# Altium PCB TD4_CPU.PcbDoc (part 2 of 3)
Units mm, origin at the board's own origin, x right, y up, seen from the top; angles counter-clockwise.
Board outline 102.11 x 192.02 mm, 2 copper layers (Top Layer, Bottom Layer); 361 components, 295 nets, 1160 pads, 333 vias.
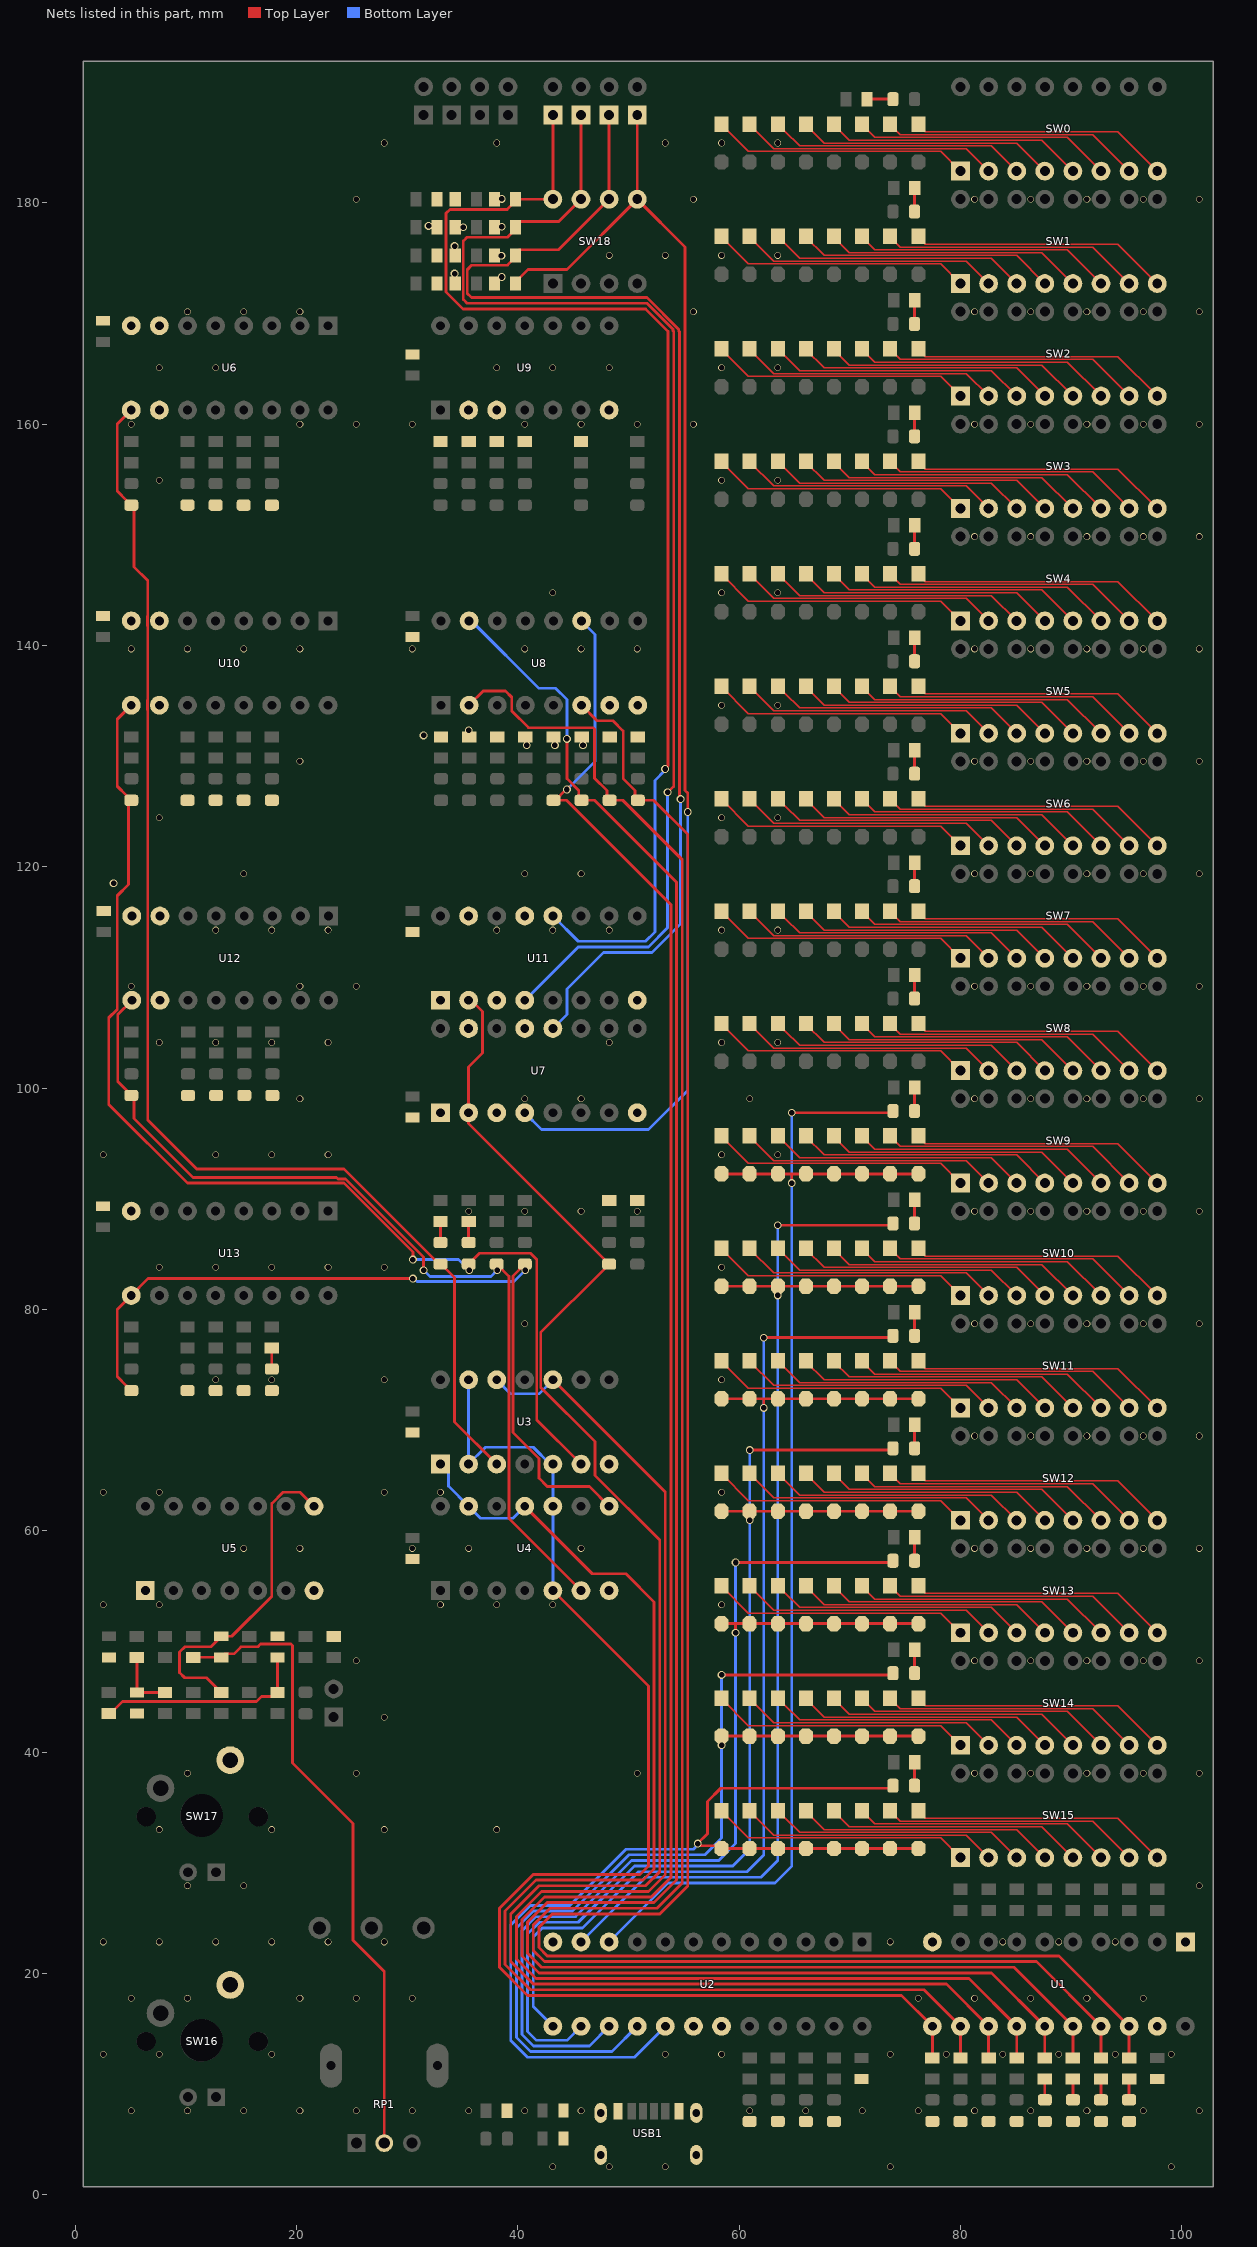
[diagram p2: the nets of this part, all layers, seen from the top]

## Via types
v1: diameter 0.6, hole 0.5, Top Layer to Bottom Layer, tented both sides, 253 vias
v2: diameter 0.7, hole 0.5, Top Layer to Bottom Layer, tented both sides, 77 vias
v3: diameter 1, hole 0.7, Top Layer to Bottom Layer, tented both sides, 3 vias

## Nets (pads, with @x,y where several pads share a name; then routed paths per layer and width w, separated by ;. In a path a pad name is that pad's centre, name@x,y a point inside that pad or via, vN(x,y) a via of type N, cw(c..) or ccw(c..) an arc to the next point about the centre after c; other vN are vias at no path point) (continued)
COM9: D73.2 D74.2 D75.2 D76.2 D77.2 D78.2 D79.2 D80.2 LED9.2 U2.10 | length 115.2
  Top Layer w0.254: D73.2@58.42,92.266 D74.2@60.96,92.266 D75.2@63.5,92.266 64.77,92.266 ; v2(64.77,91.44) 64.77,92.266 ; v2(64.77,97.79) LED9.2@73.91,97.79 ; D80.2@76.2,92.266 D79.2@73.66,92.266 D78.2@71.12,92.266 D77.2@68.58,92.266 D76.2@66.04,92.266 64.77,92.266
  Bottom Layer w0.254: U2.10@48.26,22.86 53.595,28.195 63.247,28.195 64.77,29.718 v2(64.77,91.44) v2(64.77,97.79)
COM10: D81.2 D82.2 D83.2 D84.2 D85.2 D86.2 D87.2 D88.2 LED10.2 U2.11 | length 106.4
  Top Layer w0.254: D81.2@58.42,82.105 D82.2@60.96,82.105 D83.2@63.5,82.105 D84.2@66.04,82.105 D85.2@68.58,82.105 D86.2@71.12,82.105 D87.2@73.66,82.105 D88.2@76.2,82.105 ; v2(63.5,87.63) LED10.2@73.91,87.63
  Bottom Layer w0.254: U2.11@45.72,22.86 51.562,28.702 61.976,28.702 63.5,30.226 v2(63.5,81.28) v2(63.5,87.63)
COM11: D89.2 D90.2 D91.2 D92.2 D93.2 D94.2 D95.2 D96.2 LED11.2 U2.13 | length 109.7
  Top Layer w0.254: D89.2@58.42,71.945 D90.2@60.96,71.945 62.23,71.945 ; v2(62.23,71.12) 62.23,71.945 ; v2(62.23,77.47) LED11.2@73.91,77.47 ; D96.2@76.2,71.945 D95.2@73.66,71.945 D94.2@71.12,71.945 D93.2@68.58,71.945 D92.2@66.04,71.945 D91.2@63.5,71.945 62.23,71.945
  Bottom Layer w0.254: U2.13@43.18,15.24 41.402,17.018 41.402,23.317 42.215,24.13 45.845,24.13 50.925,29.21 60.706,29.21 62.23,30.734 v2(62.23,71.12) v2(62.23,77.47)
COM12: D97.2 D98.2 D99.2 D100.2 D101.2 D102.2 D103.2 D104.2 LED12.2 U2.14 | length 104.5
  Top Layer w0.254: D97.2@58.42,61.785 D98.2@60.96,61.785 D99.2@63.5,61.785 D100.2@66.04,61.785 D101.2@68.58,61.785 D102.2@71.12,61.785 D103.2@73.66,61.785 D104.2@76.2,61.785 ; v2(60.96,67.31) LED12.2@73.91,67.31
  Bottom Layer w0.254: U2.14@45.72,15.24 44.45,13.97 41.681,13.97 40.894,14.757 40.894,23.571 41.961,24.638 45.466,24.638 50.546,29.718 59.436,29.718 60.96,31.242 v2(60.96,60.96) v2(60.96,67.31)
COM13: D105.2 D106.2 D107.2 D108.2 D109.2 D110.2 D111.2 D112.2 LED13.2 U2.15 | length 99.2
  Top Layer w0.254: D105.2@58.42,51.625 59.69,51.625 ; v2(59.69,50.8) 59.69,51.625 ; v2(59.69,57.15) LED13.2@73.91,57.15 ; D112.2@76.2,51.625 D111.2@73.66,51.625 D110.2@71.12,51.625 D109.2@68.58,51.625 D108.2@66.04,51.625 D107.2@63.5,51.625 D106.2@60.96,51.625 59.69,51.625
  Bottom Layer w0.254: U2.15@48.26,15.24 46.482,13.462 41.427,13.462 40.386,14.503 40.386,23.876 41.656,25.146 45.212,25.146 50.292,30.226 58.166,30.226 59.69,31.75 v2(59.69,50.8) v2(59.69,57.15)
COM14: D113.2 D114.2 D115.2 D116.2 D117.2 D118.2 D119.2 D120.2 LED14.2 U2.16 | length 92.2
  Top Layer w0.254: D113.2@58.42,41.465 D114.2@60.96,41.465 D115.2@63.5,41.465 D116.2@66.04,41.465 D117.2@68.58,41.465 D118.2@71.12,41.465 D119.2@73.66,41.465 D120.2@76.2,41.465 ; v2(58.42,46.99) LED14.2@73.914,46.99
  Bottom Layer w0.254: U2.16@50.8,15.24 48.514,12.954 41.148,12.954 39.878,14.224 39.878,24.13 41.402,25.654 44.958,25.654 50.038,30.734 56.896,30.734 58.42,32.258 v2(58.42,40.64) v2(58.42,46.99)
COM15: D121.2 D122.2 D123.2 D124.2 D125.2 D126.2 D127.2 D128.2 LED15.2 U2.17 | length 87.7
  Top Layer w0.254: LED15.2@73.91,36.989 73.675,36.754 58.344,36.754 57.15,35.56 57.15,32.639 v2(56.261,31.75) 56.382,31.75 56.572,31.559 58.166,31.559 D121.2@58.42,31.305 D122.2@60.96,31.305 D123.2@63.5,31.305 D124.2@66.04,31.305 D125.2@68.58,31.305 D126.2@71.12,31.305 D127.2@73.66,31.305 D128.2@76.2,31.305
  Bottom Layer w0.254: U2.17@53.34,15.24 50.546,12.446 40.894,12.446 39.37,13.97 39.37,24.384 41.148,26.162 44.704,26.162 49.784,31.242 55.88,31.242 v2@56.261,31.623
Data0: LED38.1 R25.2 U1.18 U8.6 | length 188.3
  Top Layer w0.254: U8.6@45.771,134.62 47.179,133.212 48.613,133.212 49.53,132.295 49.53,127.979 50.595,126.914 50.595,126.28 LED38.1@50.851,126.025 52.276,126.025 55.372,122.928 55.372,117.602 55.372,27.94 52.832,25.4 43.119,25.4 41.91,24.191 41.91,22.352 42.672,21.59 88.9,21.59 U1.18@95.25,15.24 R25.2@95.25,12.38
Data1: LED45.1 R26.2 U1.17 U8.2 | length 196.6
  Top Layer w0.254: U8.2@35.611,134.62 36.881,135.89 38.905,135.89 39.464,135.331 39.464,134.096 40.972,132.588 46.797,132.588 46.946,132.439 46.946,128.023 48.055,126.914 48.055,126.28 LED45.1@48.311,126.025 49.489,126.025 54.864,120.65 54.864,117.602 54.864,28.194 52.578,25.908 42.926,25.908 41.402,24.384 41.402,22.098 42.418,21.082 86.868,21.082 U1.17@92.71,15.24 R26.2@92.71,12.38
Data2: LED52.1 R28.2 U1.16 U8.15 | length 196
  Top Layer w0.254: v2(44.45,131.572) 44.45,127.979 45.515,126.914 45.515,126.28 LED52.1@45.771,126.025 46.946,126.025 54.356,118.614 54.356,28.448 52.324,26.416 42.672,26.416 40.894,24.638 40.894,21.844 42.164,20.574 84.836,20.574 U1.16@90.17,15.24 R28.2@90.17,12.38
  Bottom Layer w0.254: U8.15@35.611,142.24 35.827,142.024 36.03,142.024 41.91,136.144 43.434,136.144 44.45,135.128 v2(44.45,131.572)
Data3: LED59.1 R31.2 U1.15 U8.11 | length 192.1
  Top Layer w0.254: LED59.1@43.231,126.025 LED59.1@43.416,126.025 ; v2@44.641,127.232 v2@44.45,127.041 ; R31.2@87.63,12.38 U1.15@87.63,15.24 82.804,20.066 42.164,20.066 41.91,20.066 40.386,21.59 40.386,24.892 42.418,26.924 52.07,26.924 53.848,28.702 53.848,116.586 44.409,126.025 LED59.1@43.416,126.025 ; LED59.1@43.416,126.025 44.333,126.942 44.333,127 v2@44.409,127 ; v2@44.409,127 v2@44.45,127.041 ; v2@44.409,127 v2(44.45,127) v2@44.45,127.041
  Bottom Layer w0.254: v2(44.45,127) 46.99,129.54 46.99,141.021 U8.11@45.771,142.24
Data4: R34.2 U1.14 U3.10 U3.12 | length 124.5
  Top Layer w0.254: U3.10@43.18,73.66 53.34,63.5 53.34,28.956 51.816,27.432 42.164,27.432 39.878,25.146 39.878,21.336 41.656,19.558 42.164,19.558 80.772,19.558 U1.14@85.09,15.24 R34.2@85.09,12.38
  Bottom Layer w0.254: U3.12@38.1,73.66 39.37,72.39 41.91,72.39 U3.10@43.18,73.66
Data5: LED34.1 R37.2 U1.13 U7.2 U11.2 | length 160.1
  Top Layer w0.254: U11.2@35.56,107.95 35.814,107.95 36.83,106.934 36.83,103.193 35.56,101.923 U7.2@35.56,97.79 35.56,96.815 LED34.1@48.26,84.115 48.202,84.115 47.83,83.743 47.83,83.685 42.074,77.929 42.074,72.988 46.99,68.072 46.99,65.025 52.832,59.183 52.832,29.21 51.562,27.94 41.91,27.94 39.37,25.4 39.37,21.082 41.402,19.05 42.164,19.05 78.74,19.05 U1.13@82.55,15.24 R37.2@82.55,12.38
Data6: R39.2 U1.12 U3.1 U4.11 U4.13 | length 116.4
  Top Layer w0.254: U4.11@40.64,62.23 46.736,56.134 49.784,56.134 52.324,53.594 52.324,29.464 51.308,28.448 41.656,28.448 38.862,25.654 38.862,20.828 41.148,18.542 42.164,18.542 76.708,18.542 U1.12@80.01,15.24 R39.2@80.01,12.38
  Bottom Layer w0.254: U3.1@33.02,66.04 33.743,65.317 33.743,64.047 U4.13@35.56,62.23 36.639,61.151 39.561,61.151 U4.11@40.64,62.23
Data7: R40.2 U1.11 U3.2 U3.5 U3.13 U4.5 U4.10 | length 121
  Top Layer w0.254: U4.5@43.18,54.61 51.816,45.974 51.816,29.718 51.054,28.956 41.408,28.956 38.354,25.902 38.354,20.574 40.894,18.034 42.164,18.034 74.676,18.034 U1.11@77.47,15.24 R40.2@77.47,12.38
  Bottom Layer w0.254: U3.13@35.56,73.66 U3.2@35.56,66.04 37.084,67.564 41.402,67.564 42.926,66.04 U3.5@43.18,66.04 U4.10@43.18,62.23 U4.5@43.18,54.61
GND: C1.1 C2.1 C3.1 C4.1 C5.1 C6.1 C7.1 C8.1 C9.1 C10.1 C11.1 C12.1 C13.1 C14.1 C15.1 C16.1 C18.1 LED16.2 LED17.2 LED19.2 LED21.2 LED22.2 LED24.2 LED25.2 LED27.2 LED28.2 LED29.2 LED30.2 LED31.2 LED41.2 LED42.2 LED48.2 LED49.2 LED55.2 LED56.2 LED62.2 LED63.2 LED66.2 LED67.2 LED68.2 LED69.2 LED70.2 LED71.2 LED72.2 LED73.2 R42.1 R43.1 R44.1 R46.1 R47.1 R48.1 R49.1 R52.1 R53.1 R54.1 R55.1 R56.1 R59.1 R60.1 R61.1 R62.1 R63.1 R66.1 R67.1 R68.1 R69.1 R70.1 R73.1 R74.1 R85.2 R86.2 R87.2 R88.2 R97.1 SW16.2 SW17.2 U1.1 U1.10 U1.19 U2.12 U2.18 U2.19 U3.7 U4.7 U5.1 U5.7 U6.7 U6.8 U6.10 U7.1 U7.3 U7.8 U7.13 U7.15 U8.7 U8.8 U9.2 U9.3 U9.7 U10.7 U10.8 U10.10 U11.1 U11.3 U11.8 U11.13 U11.15 U12.7 U12.8 U12.10 U13.8 USB1.0 USB1.A12 USB1.B12
  other v1: 43.18,2.54 48.26,2.54 53.34,2.54 73.66,2.54 99.06,2.54 5.08,7.62 10.16,7.62 15.24,7.62 20.32,7.62 25.4,7.62 30.48,7.62 35.56,7.62 40.64,7.62 45.72,7.62 60.96,7.62 66.04,7.62 71.12,7.62 76.2,7.62 81.28,7.62 86.36,7.62 91.44,7.62 96.52,7.62 101.6,7.62 2.54,12.7 7.62,12.7 17.78,12.7 53.34,12.7 58.42,12.7 73.66,12.7 78.74,12.7 83.82,12.7 88.9,12.7 93.98,12.7 99.06,12.7 5.08,17.78 10.16,17.78 20.32,17.78 25.4,17.78 30.48,17.78 76.2,17.78 81.28,17.78 86.36,17.78 91.44,17.78 96.52,17.78 2.54,22.86 7.62,22.86 12.7,22.86 17.78,22.86 22.86,22.86 27.94,22.86 73.66,22.86 83.82,22.86 88.9,22.86 93.98,22.86 10.16,27.94 15.24,27.94 101.6,27.94 7.62,33.02 17.78,33.02 27.94,33.02 38.1,33.02 10.16,38.1 25.4,38.1 50.8,38.1 81.28,38.1 86.36,38.1 91.44,38.1 96.52,38.1 101.6,38.1 27.94,43.18 25.4,48.26 81.28,48.26 86.36,48.26 91.44,48.26 96.52,48.26 101.6,48.26 2.54,53.34 7.62,53.34 33.02,53.34 38.1,53.34 43.18,53.34 58.42,53.34 15.24,58.42 20.32,58.42 30.48,58.42 35.56,58.42 45.72,58.42 81.28,58.42 86.36,58.42 91.44,58.42 96.52,58.42 101.6,58.42 2.54,63.5 7.62,63.5 27.94,63.5 33.02,63.5 58.42,63.5 81.28,68.58 86.36,68.58 91.44,68.58 96.52,68.58 101.6,68.58 12.7,73.66 17.78,73.66 27.94,73.66 58.42,73.66 40.64,78.74 81.28,78.74 86.36,78.74 91.44,78.74 96.52,78.74 101.6,78.74 7.62,83.82 12.7,83.82 17.78,83.82 22.86,83.82 27.94,83.82 58.42,83.82 35.56,88.9 40.64,88.9 45.72,88.9 50.8,88.9 81.28,88.9 86.36,88.9 91.44,88.9 96.52,88.9 101.6,88.9 2.54,93.98 12.7,93.98 17.78,93.98 22.86,93.98 58.42,93.98 63.5,93.98 20.32,99.06 40.64,99.06 45.72,99.06 60.96,99.06 81.28,99.06 86.36,99.06 91.44,99.06 96.52,99.06 101.6,99.06 7.62,104.14 12.7,104.14 17.78,104.14 22.86,104.14 48.26,104.14 58.42,104.14 63.5,104.14 5.08,109.22 20.32,109.22 25.4,109.22 81.28,109.22 86.36,109.22 91.44,109.22 96.52,109.22 101.6,109.22 12.7,114.3 17.78,114.3 22.86,114.3 38.1,114.3 43.18,114.3 48.26,114.3 58.42,114.3 63.5,114.3 15.24,119.38 40.64,119.38 45.72,119.38 81.28,119.38 86.36,119.38 91.44,119.38 96.52,119.38 101.6,119.38 7.62,124.46 58.42,124.46 63.5,124.46 20.32,129.54 81.28,129.54 86.36,129.54 91.44,129.54 96.52,129.54 101.6,129.54 58.42,134.62 63.5,134.62 5.08,139.7 10.16,139.7 15.24,139.7 20.32,139.7 30.48,139.7 40.64,139.7 45.72,139.7 50.8,139.7 81.28,139.7 86.36,139.7 91.44,139.7 96.52,139.7 101.6,139.7 43.18,144.78 58.42,144.78 63.5,144.78 81.28,149.86 86.36,149.86 91.44,149.86 96.52,149.86 101.6,149.86 7.62,154.94 58.42,154.94 63.5,154.94 5.08,160.02 20.32,160.02 25.4,160.02 30.48,160.02 40.64,160.02 45.72,160.02 50.8,160.02 55.88,160.02 81.28,160.02 86.36,160.02 91.44,160.02 96.52,160.02 101.6,160.02 7.62,165.1 12.7,165.1 38.1,165.1 43.18,165.1 48.26,165.1 58.42,165.1 63.5,165.1 10.16,170.18 15.24,170.18 20.32,170.18 55.88,170.18 81.28,170.18 86.36,170.18 91.44,170.18 96.52,170.18 101.6,170.18 48.26,175.26 53.34,175.26 58.42,175.26 63.5,175.26 25.4,180.34 55.88,180.34 81.28,180.34 86.36,180.34 91.44,180.34 96.52,180.34 101.6,180.34 27.94,185.42 38.1,185.42 53.34,185.42 58.42,185.42 63.5,185.42
  other v2: 3.48,118.535 40.818,131.006 43.358,131.006 45.898,131.006 31.496,131.887 35.585,132.359 38.547,173.312 34.29,173.624 38.532,175.235 34.29,176.111 35.068,177.8 38.557,177.851 31.946,177.927 38.547,180.365
IN_0: LED44.1 R88.1 SW18.5 U7.4 | length 121.1
  Top Layer w0.254: R88.1@39.812,172.72 39.812,172.87 40.932,173.99 44.45,173.99 SW18.5@50.8,180.34 ; LED44.1@50.851,187.96 50.8,187.909 SW18.5@50.8,180.34 ; v2(55.372,124.968) 55.372,126.66 55.118,126.914 55.118,176.022 SW18.5@50.8,180.34
  Bottom Layer w0.254: U7.4@40.64,97.79 42.164,96.266 51.816,96.266 55.372,99.822 v2(55.372,124.968)
IN_1: LED51.1 R87.1 SW18.6 U7.12 | length 116.2
  Top Layer w0.254: LED51.1@48.311,187.96 48.26,187.909 SW18.6@48.26,180.34 43.703,175.783 40.185,175.783 39.812,175.41 39.812,175.11 39.083,174.381 35.85,174.381 35.44,173.972 35.44,171.824 35.814,171.45 51.679,171.45 54.548,168.582 54.548,168.454 54.61,168.392 54.61,126.914 v2@54.61,126.365
  Bottom Layer w0.254: U7.12@43.18,105.41 44.45,106.68 44.45,108.966 47.752,112.268 52.12,112.268 54.712,114.86 v2(54.712,126.136)
IN_2: LED58.1 R86.1 SW18.7 U11.4 | length 115.3
  Top Layer w0.254: LED58.1@45.771,187.96 45.72,187.909 SW18.7@45.72,180.34 43.703,178.323 40.185,178.323 39.812,177.95 39.812,177.65 39.065,176.903 35.425,176.903 35.085,176.563 35.085,171.283 35.425,170.942 51.685,170.942 54.04,168.587 54.04,168.459 54.102,168.397 54.102,127.279 54.077,127.279 v2(53.543,126.746)
  Bottom Layer w0.254: U11.4@40.64,107.95 45.466,112.776 51.816,112.776 53.543,114.503 v2(53.543,126.746)
IN_3: LED65.1 R85.1 SW18.8 U11.12 | length 111.8
  Top Layer w0.254: LED65.1@43.231,187.96 43.18,187.909 SW18.8@43.18,180.34 R85.1@39.812,180.34 39.812,180.19 39.048,179.426 33.884,179.426 33.528,179.07 33.528,171.958 35.052,170.434 51.562,170.434 53.594,168.402 53.594,129.134 v2(53.315,128.854)
  Bottom Layer w0.254: U11.12@43.18,115.57 45.466,113.284 51.562,113.284 52.396,114.118 52.396,127.821 53.315,128.74 v2(53.315,128.854)
L\o\a\d\0\: LED18.2 LED75.2 U3.3 U6.9 | length 118
  Top Layer w0.254: U6.9@5.08,161.29 3.81,160.02 3.81,153.965 4.65,153.124 4.65,153.066 5.022,152.695 LED75.2@5.08,152.695 5.334,152.441 5.334,147.115 6.565,145.884 6.565,142.71 6.541,142.687 6.541,141.793 6.565,141.77 6.565,135.09 6.541,135.067 6.541,134.173 6.565,134.15 6.565,97.143 10.998,92.71 24.298,92.71 32.893,84.115 LED18.2@33.02,84.115 33.078,84.115 34.29,82.903 34.29,69.85 U3.3@38.1,66.04
L\o\a\d\1\: LED20.2 LED76.2 U3.6 U10.9 | length 103.5
  Top Layer w0.254: LED76.2@4.65,126.454 3.81,127.295 3.81,133.35 U10.9@5.08,134.62 ; LED76.2@5.08,126.025 4.826,125.771 4.826,118.413 3.81,117.397 3.81,107.132 3.048,106.37 3.048,98.552 10.16,91.44 24.298,91.44 30.531,85.207 v2(30.531,84.519) ; LED20.2@35.56,84.115 36.535,85.09 41.148,85.09 41.719,84.519 41.719,70.041 U3.6@45.72,66.04
  Bottom Layer w0.254: v2(30.531,84.519) 34.657,84.519 v2(35.611,83.566)
L\o\a\d\2\: LED23.2 LED77.2 U4.6 U12.9 | length 83.5
  Top Layer w0.254: LED77.2@4.701,99.784 3.861,100.625 3.861,106.68 U12.9@5.131,107.95 ; LED77.2@5.08,99.355 5.334,99.101 5.334,97.282 10.668,91.948 23.622,91.948 23.774,91.796 24.445,91.796 31.496,84.744 v2(31.496,83.566) ; LED23.2@38.1,84.115 39.206,83.009 39.206,61.124 U4.6@45.72,54.61
  Bottom Layer w0.254: v2(31.496,83.566) 32.075,82.987 37.572,82.987 v2(38.151,83.566)
L\o\a\d\3\: LED26.2 LED78.2 U4.8 U13.9 | length 74
  Top Layer w0.254: LED78.2@4.65,73.114 3.81,73.955 3.81,80.01 U13.9@5.08,81.28 6.604,82.804 v2(30.531,82.804) ; LED26.2@40.64,84.115 39.561,83.036 39.561,68.897 41.91,66.548 41.91,64.77 42.672,64.008 46.482,64.008 U4.8@48.26,62.23
  Bottom Layer w0.254: v2(30.531,82.804) 30.651,82.804 30.905,82.55 39.675,82.55 v2(40.691,83.566)
NetC16_2: C16.2 R76.2 R77.1 | length 5.7
  Top Layer w0.254: R77.1@5.588,48.58 C16.2@5.588,45.4 R76.2@8.128,45.4
NetC17_1: C17.1 R81.1 U5.8 | length 30.1
  Top Layer w0.254: R81.1@13.358,45.4 R81.1@13.208,45.4 11.872,46.736 9.906,46.736 9.449,47.193 9.449,49.073 9.906,49.53 12.258,49.53 C17.1@13.208,50.48 14.158,50.48 17.78,54.102 17.78,62.485 18.795,63.5 20.32,63.5 U5.8@21.59,62.23
NetC17_2: C17.2 R80.1 RP1.2 | length 57.9
  Top Layer w0.254: R80.1@10.668,48.58 C17.2@13.208,48.58 13.525,48.898 14.354,48.898 14.986,49.53 16.51,49.53 16.764,49.784 19.511,49.784 19.66,49.635 19.66,39.04 25.123,33.577 25.123,23.009 27.94,20.192 RP1.2@27.94,4.684
NetC18_2: C18.2 R83.2 R84.1 | length 19.2
  Top Layer w0.254: R84.1@3.048,43.5 3.198,43.5 4.282,44.584 16.405,44.584 16.848,45.027 17.915,45.027 R83.2@18.288,45.4 C18.2@18.288,48.58
NetD1_1: D1.1 SW0.1 | length 23.4
  Top Layer w0.127: D1.1@58.42,187.135 58.42,187.071 60.833,184.658 78.232,184.658 SW0.1@80.01,182.88
NetD2_1: D2.1 SW0.2 | length 23.4
  Top Layer w0.127: D2.1@60.96,187.135 60.96,187.071 63.119,184.912 80.518,184.912 SW0.2@82.55,182.88
NetD3_1: D3.1 SW0.3 | length 23.4
  Top Layer w0.127: D3.1@63.5,187.135 63.5,187.071 64.072,186.499 64.135,186.499 65.468,185.166 82.804,185.166 SW0.3@85.09,182.88
NetD4_1: D4.1 SW0.4 | length 23.4
  Top Layer w0.127: D4.1@66.04,187.135 66.04,187.071 67.691,185.42 85.09,185.42 SW0.4@87.63,182.88
NetD5_1: D5.1 SW0.5 | length 23.4
  Top Layer w0.127: D5.1@68.58,187.135 68.58,187.071 69.977,185.674 87.376,185.674 SW0.5@90.17,182.88
NetD6_1: D6.1 SW0.6 | length 23.4
  Top Layer w0.127: D6.1@71.12,187.135 71.12,187.071 72.263,185.928 89.662,185.928 SW0.6@92.71,182.88
NetD7_1: D7.1 SW0.7 | length 23.4
  Top Layer w0.127: D7.1@73.66,187.135 73.66,187.071 74.549,186.182 91.948,186.182 SW0.7@95.25,182.88
NetD8_1: D8.1 SW0.8 | length 23.4
  Top Layer w0.127: D8.1@76.2,187.135 76.2,187.071 76.835,186.436 94.234,186.436 SW0.8@97.79,182.88
NetD9_1: D9.1 SW1.1 | length 23.4
  Top Layer w0.127: D9.1@58.42,176.975 58.42,176.911 60.833,174.498 78.232,174.498 SW1.1@80.01,172.72
NetD10_1: D10.1 SW1.2 | length 23.4
  Top Layer w0.127: D10.1@60.96,176.975 60.96,176.911 63.119,174.752 80.518,174.752 SW1.2@82.55,172.72
NetD11_1: D11.1 SW1.3 | length 23.4
  Top Layer w0.127: D11.1@63.5,176.975 63.5,176.911 64.072,176.339 64.135,176.339 65.468,175.006 82.804,175.006 SW1.3@85.09,172.72
NetD12_1: D12.1 SW1.4 | length 23.4
  Top Layer w0.127: D12.1@66.04,176.975 66.04,176.911 67.691,175.26 85.09,175.26 SW1.4@87.63,172.72
NetD13_1: D13.1 SW1.5 | length 23.4
  Top Layer w0.127: D13.1@68.58,176.975 68.58,176.911 69.977,175.514 87.376,175.514 SW1.5@90.17,172.72
NetD14_1: D14.1 SW1.6 | length 23.4
  Top Layer w0.127: D14.1@71.12,176.975 71.12,176.911 72.263,175.768 89.662,175.768 SW1.6@92.71,172.72
NetD15_1: D15.1 SW1.7 | length 23.4
  Top Layer w0.127: D15.1@73.66,176.975 73.66,176.911 74.549,176.022 91.948,176.022 SW1.7@95.25,172.72
NetD16_1: D16.1 SW1.8 | length 23.4
  Top Layer w0.127: D16.1@76.2,176.975 76.2,176.911 76.835,176.276 94.234,176.276 SW1.8@97.79,172.72
NetD17_1: D17.1 SW2.1 | length 23.4
  Top Layer w0.127: D17.1@58.42,166.814 58.42,166.751 60.833,164.338 78.232,164.338 SW2.1@80.01,162.56
NetD18_1: D18.1 SW2.2 | length 23.4
  Top Layer w0.127: D18.1@60.96,166.814 60.96,166.751 63.119,164.592 80.518,164.592 SW2.2@82.55,162.56
NetD19_1: D19.1 SW2.3 | length 23.4
  Top Layer w0.127: D19.1@63.5,166.814 63.5,166.751 64.072,166.179 64.135,166.179 65.468,164.846 82.804,164.846 SW2.3@85.09,162.56
NetD20_1: D20.1 SW2.4 | length 23.4
  Top Layer w0.127: D20.1@66.04,166.814 66.04,166.751 67.691,165.1 85.09,165.1 SW2.4@87.63,162.56
NetD21_1: D21.1 SW2.5 | length 23.4
  Top Layer w0.127: D21.1@68.58,166.814 68.58,166.751 69.977,165.354 87.376,165.354 SW2.5@90.17,162.56
NetD22_1: D22.1 SW2.6 | length 23.4
  Top Layer w0.127: D22.1@71.12,166.814 71.12,166.751 72.263,165.608 89.662,165.608 SW2.6@92.71,162.56
NetD23_1: D23.1 SW2.7 | length 23.4
  Top Layer w0.127: D23.1@73.66,166.814 73.66,166.751 74.549,165.862 91.948,165.862 SW2.7@95.25,162.56
NetD24_1: D24.1 SW2.8 | length 23.4
  Top Layer w0.127: D24.1@76.2,166.814 76.2,166.751 76.835,166.116 94.234,166.116 SW2.8@97.79,162.56
NetD25_1: D25.1 SW3.1 | length 23.4
  Top Layer w0.127: D25.1@58.42,156.654 58.42,156.591 60.833,154.178 78.232,154.178 SW3.1@80.01,152.4
NetD26_1: D26.1 SW3.2 | length 23.4
  Top Layer w0.127: D26.1@60.96,156.654 60.96,156.591 63.119,154.432 80.518,154.432 SW3.2@82.55,152.4
NetD27_1: D27.1 SW3.3 | length 23.4
  Top Layer w0.127: D27.1@63.5,156.654 63.5,156.591 64.072,156.019 64.135,156.019 65.468,154.686 82.804,154.686 SW3.3@85.09,152.4
NetD28_1: D28.1 SW3.4 | length 23.4
  Top Layer w0.127: D28.1@66.04,156.654 66.04,156.591 67.691,154.94 85.09,154.94 SW3.4@87.63,152.4
NetD29_1: D29.1 SW3.5 | length 23.4
  Top Layer w0.127: D29.1@68.58,156.654 68.58,156.591 69.977,155.194 87.376,155.194 SW3.5@90.17,152.4
NetD30_1: D30.1 SW3.6 | length 23.4
  Top Layer w0.127: D30.1@71.12,156.654 71.12,156.591 72.263,155.448 89.662,155.448 SW3.6@92.71,152.4
NetD31_1: D31.1 SW3.7 | length 23.4
  Top Layer w0.127: D31.1@73.66,156.654 73.66,156.591 74.549,155.702 91.948,155.702 SW3.7@95.25,152.4
NetD32_1: D32.1 SW3.8 | length 23.4
  Top Layer w0.127: D32.1@76.2,156.654 76.2,156.591 76.835,155.956 94.234,155.956 SW3.8@97.79,152.4
NetD33_1: D33.1 SW4.1 | length 23.4
  Top Layer w0.127: D33.1@58.42,146.494 58.42,146.431 60.833,144.018 78.232,144.018 SW4.1@80.01,142.24
NetD34_1: D34.1 SW4.2 | length 23.4
  Top Layer w0.127: D34.1@60.96,146.494 60.96,146.431 63.119,144.272 80.518,144.272 SW4.2@82.55,142.24
NetD35_1: D35.1 SW4.3 | length 23.4
  Top Layer w0.127: D35.1@63.5,146.494 63.5,146.431 64.072,145.859 64.135,145.859 65.468,144.526 82.804,144.526 SW4.3@85.09,142.24
NetD36_1: D36.1 SW4.4 | length 23.4
  Top Layer w0.127: D36.1@66.04,146.494 66.04,146.431 67.691,144.78 85.09,144.78 SW4.4@87.63,142.24
NetD37_1: D37.1 SW4.5 | length 23.4
  Top Layer w0.127: D37.1@68.58,146.494 68.58,146.431 69.977,145.034 87.376,145.034 SW4.5@90.17,142.24
NetD38_1: D38.1 SW4.6 | length 23.4
  Top Layer w0.127: D38.1@71.12,146.494 71.12,146.431 72.263,145.288 89.662,145.288 SW4.6@92.71,142.24
NetD39_1: D39.1 SW4.7 | length 23.4
  Top Layer w0.127: D39.1@73.66,146.494 73.66,146.431 74.549,145.542 91.948,145.542 SW4.7@95.25,142.24
NetD40_1: D40.1 SW4.8 | length 23.4
  Top Layer w0.127: D40.1@76.2,146.494 76.2,146.431 76.835,145.796 94.234,145.796 SW4.8@97.79,142.24
NetD41_1: D41.1 SW5.1 | length 23.4
  Top Layer w0.127: D41.1@58.42,136.334 58.42,136.271 60.833,133.858 78.232,133.858 SW5.1@80.01,132.08
NetD42_1: D42.1 SW5.2 | length 23.4
  Top Layer w0.127: D42.1@60.96,136.334 60.96,136.271 63.119,134.112 80.518,134.112 SW5.2@82.55,132.08
NetD43_1: D43.1 SW5.3 | length 23.4
  Top Layer w0.127: D43.1@63.5,136.334 63.5,136.271 64.072,135.7 64.135,135.7 65.468,134.366 82.804,134.366 SW5.3@85.09,132.08
NetD44_1: D44.1 SW5.4 | length 23.4
  Top Layer w0.127: D44.1@66.04,136.334 66.04,136.271 67.691,134.62 85.09,134.62 SW5.4@87.63,132.08
NetD45_1: D45.1 SW5.5 | length 23.4
  Top Layer w0.127: D45.1@68.58,136.334 68.58,136.271 69.977,134.874 87.376,134.874 SW5.5@90.17,132.08
NetD46_1: D46.1 SW5.6 | length 23.4
  Top Layer w0.127: D46.1@71.12,136.334 71.12,136.271 72.263,135.128 89.662,135.128 SW5.6@92.71,132.08
NetD47_1: D47.1 SW5.7 | length 23.4
  Top Layer w0.127: D47.1@73.66,136.334 73.66,136.271 74.549,135.382 91.948,135.382 SW5.7@95.25,132.08
NetD48_1: D48.1 SW5.8 | length 23.4
  Top Layer w0.127: D48.1@76.2,136.334 76.2,136.271 76.835,135.636 94.234,135.636 SW5.8@97.79,132.08
NetD49_1: D49.1 SW6.1 | length 23.4
  Top Layer w0.127: D49.1@58.42,126.174 58.42,126.111 60.833,123.698 78.232,123.698 SW6.1@80.01,121.92
NetD50_1: D50.1 SW6.2 | length 23.4
  Top Layer w0.127: D50.1@60.96,126.174 60.96,126.111 63.119,123.952 80.518,123.952 SW6.2@82.55,121.92
NetD51_1: D51.1 SW6.3 | length 23.4
  Top Layer w0.127: D51.1@63.5,126.174 63.5,126.111 64.072,125.539 64.135,125.539 65.468,124.206 82.804,124.206 SW6.3@85.09,121.92
NetD52_1: D52.1 SW6.4 | length 23.4
  Top Layer w0.127: D52.1@66.04,126.174 66.04,126.111 67.691,124.46 85.09,124.46 SW6.4@87.63,121.92
NetD53_1: D53.1 SW6.5 | length 23.4
  Top Layer w0.127: D53.1@68.58,126.174 68.58,126.111 69.977,124.714 87.376,124.714 SW6.5@90.17,121.92
NetD54_1: D54.1 SW6.6 | length 23.4
  Top Layer w0.127: D54.1@71.12,126.174 71.12,126.111 72.263,124.968 89.662,124.968 SW6.6@92.71,121.92
NetD55_1: D55.1 SW6.7 | length 23.4
  Top Layer w0.127: D55.1@73.66,126.174 73.66,126.111 74.549,125.222 91.948,125.222 SW6.7@95.25,121.92
NetD56_1: D56.1 SW6.8 | length 23.4
  Top Layer w0.127: D56.1@76.2,126.174 76.2,126.111 76.835,125.476 94.234,125.476 SW6.8@97.79,121.92
NetD57_1: D57.1 SW7.1 | length 23.4
  Top Layer w0.127: D57.1@58.42,116.014 58.42,115.951 60.833,113.538 78.232,113.538 SW7.1@80.01,111.76
NetD58_1: D58.1 SW7.2 | length 23.4
  Top Layer w0.127: D58.1@60.96,116.014 60.96,115.951 63.119,113.792 80.518,113.792 SW7.2@82.55,111.76
NetD59_1: D59.1 SW7.3 | length 23.4
  Top Layer w0.127: D59.1@63.5,116.014 63.5,115.951 64.072,115.379 64.135,115.379 65.468,114.046 82.804,114.046 SW7.3@85.09,111.76
NetD60_1: D60.1 SW7.4 | length 23.4
  Top Layer w0.127: D60.1@66.04,116.014 66.04,115.951 67.691,114.3 85.09,114.3 SW7.4@87.63,111.76
NetD61_1: D61.1 SW7.5 | length 23.4
  Top Layer w0.127: D61.1@68.58,116.014 68.58,115.951 69.977,114.554 87.376,114.554 SW7.5@90.17,111.76
NetD62_1: D62.1 SW7.6 | length 23.4
  Top Layer w0.127: D62.1@71.12,116.014 71.12,115.951 72.263,114.808 89.662,114.808 SW7.6@92.71,111.76
NetD63_1: D63.1 SW7.7 | length 23.4
  Top Layer w0.127: D63.1@73.66,116.014 73.66,115.951 74.549,115.062 91.948,115.062 SW7.7@95.25,111.76
NetD64_1: D64.1 SW7.8 | length 23.4
  Top Layer w0.127: D64.1@76.2,116.014 76.2,115.951 76.835,115.316 94.234,115.316 SW7.8@97.79,111.76
NetD65_1: D65.1 SW8.1 | length 23.4
  Top Layer w0.127: D65.1@58.42,105.855 58.42,105.791 60.833,103.378 78.232,103.378 SW8.1@80.01,101.6
NetD66_1: D66.1 SW8.2 | length 23.4
  Top Layer w0.127: D66.1@60.96,105.855 60.96,105.791 63.119,103.632 80.518,103.632 SW8.2@82.55,101.6
NetD67_1: D67.1 SW8.3 | length 23.4
  Top Layer w0.127: D67.1@63.5,105.855 63.5,105.791 64.072,105.219 64.135,105.219 65.468,103.886 82.804,103.886 SW8.3@85.09,101.6
NetD68_1: D68.1 SW8.4 | length 23.4
  Top Layer w0.127: D68.1@66.04,105.855 66.04,105.791 67.691,104.14 85.09,104.14 SW8.4@87.63,101.6
NetD69_1: D69.1 SW8.5 | length 23.4
  Top Layer w0.127: D69.1@68.58,105.855 68.58,105.791 69.977,104.394 87.376,104.394 SW8.5@90.17,101.6
NetD70_1: D70.1 SW8.6 | length 23.4
  Top Layer w0.127: D70.1@71.12,105.855 71.12,105.791 72.263,104.648 89.662,104.648 SW8.6@92.71,101.6
NetD71_1: D71.1 SW8.7 | length 23.4
  Top Layer w0.127: D71.1@73.66,105.855 73.66,105.791 74.549,104.902 91.948,104.902 SW8.7@95.25,101.6
NetD72_1: D72.1 SW8.8 | length 23.4
  Top Layer w0.127: D72.1@76.2,105.855 76.2,105.791 76.835,105.156 94.234,105.156 SW8.8@97.79,101.6
NetD73_1: D73.1 SW9.1 | length 23.4
  Top Layer w0.127: D73.1@58.42,95.694 58.42,95.631 60.833,93.218 78.232,93.218 SW9.1@80.01,91.44
NetD74_1: D74.1 SW9.2 | length 23.4
  Top Layer w0.127: D74.1@60.96,95.694 60.96,95.631 63.119,93.472 80.518,93.472 SW9.2@82.55,91.44
NetD75_1: D75.1 SW9.3 | length 23.4
  Top Layer w0.127: D75.1@63.5,95.694 63.5,95.631 64.072,95.059 64.135,95.059 65.468,93.726 82.804,93.726 SW9.3@85.09,91.44
NetD76_1: D76.1 SW9.4 | length 23.4
  Top Layer w0.127: D76.1@66.04,95.694 66.04,95.631 67.691,93.98 85.09,93.98 SW9.4@87.63,91.44
NetD77_1: D77.1 SW9.5 | length 23.4
  Top Layer w0.127: D77.1@68.58,95.694 68.58,95.631 69.977,94.234 87.376,94.234 SW9.5@90.17,91.44
NetD78_1: D78.1 SW9.6 | length 23.4
  Top Layer w0.127: D78.1@71.12,95.694 71.12,95.631 72.263,94.488 89.662,94.488 SW9.6@92.71,91.44
NetD79_1: D79.1 SW9.7 | length 23.4
  Top Layer w0.127: D79.1@73.66,95.694 73.66,95.631 74.549,94.742 91.948,94.742 SW9.7@95.25,91.44
NetD80_1: D80.1 SW9.8 | length 23.4
  Top Layer w0.127: D80.1@76.2,95.694 76.2,95.631 76.835,94.996 94.234,94.996 SW9.8@97.79,91.44
NetD81_1: D81.1 SW10.1 | length 23.4
  Top Layer w0.127: D81.1@58.42,85.534 58.42,85.471 60.833,83.058 78.232,83.058 SW10.1@80.01,81.28
NetD82_1: D82.1 SW10.2 | length 23.4
  Top Layer w0.127: D82.1@60.96,85.534 60.96,85.471 63.119,83.312 80.518,83.312 SW10.2@82.55,81.28
NetD83_1: D83.1 SW10.3 | length 23.4
  Top Layer w0.127: D83.1@63.5,85.534 63.5,85.471 64.072,84.9 64.135,84.9 65.468,83.566 82.804,83.566 SW10.3@85.09,81.28
NetD84_1: D84.1 SW10.4 | length 23.4
  Top Layer w0.127: D84.1@66.04,85.534 66.04,85.471 67.691,83.82 85.09,83.82 SW10.4@87.63,81.28
NetD85_1: D85.1 SW10.5 | length 23.4
  Top Layer w0.127: D85.1@68.58,85.534 68.58,85.471 69.977,84.074 87.376,84.074 SW10.5@90.17,81.28
NetD86_1: D86.1 SW10.6 | length 23.4
  Top Layer w0.127: D86.1@71.12,85.534 71.12,85.471 72.263,84.328 89.662,84.328 SW10.6@92.71,81.28
NetD87_1: D87.1 SW10.7 | length 23.4
  Top Layer w0.127: D87.1@73.66,85.534 73.66,85.471 74.549,84.582 91.948,84.582 SW10.7@95.25,81.28
NetD88_1: D88.1 SW10.8 | length 23.4
  Top Layer w0.127: D88.1@76.2,85.534 76.2,85.471 76.835,84.836 94.234,84.836 SW10.8@97.79,81.28
NetD89_1: D89.1 SW11.1 | length 23.4
  Top Layer w0.127: D89.1@58.42,75.374 58.42,75.311 60.833,72.898 78.232,72.898 SW11.1@80.01,71.12
NetD90_1: D90.1 SW11.2 | length 23.4
  Top Layer w0.127: D90.1@60.96,75.374 60.96,75.311 63.119,73.152 80.518,73.152 SW11.2@82.55,71.12
NetD91_1: D91.1 SW11.3 | length 23.4
  Top Layer w0.127: D91.1@63.5,75.374 63.5,75.311 64.072,74.739 64.135,74.739 65.468,73.406 82.804,73.406 SW11.3@85.09,71.12
NetD92_1: D92.1 SW11.4 | length 23.4
  Top Layer w0.127: D92.1@66.04,75.374 66.04,75.311 67.691,73.66 85.09,73.66 SW11.4@87.63,71.12
NetD93_1: D93.1 SW11.5 | length 23.4
  Top Layer w0.127: D93.1@68.58,75.374 68.58,75.311 69.977,73.914 87.376,73.914 SW11.5@90.17,71.12
NetD94_1: D94.1 SW11.6 | length 23.4
  Top Layer w0.127: D94.1@71.12,75.374 71.12,75.311 72.263,74.168 89.662,74.168 SW11.6@92.71,71.12
NetD95_1: D95.1 SW11.7 | length 23.4
  Top Layer w0.127: D95.1@73.66,75.374 73.66,75.311 74.549,74.422 91.948,74.422 SW11.7@95.25,71.12
NetD96_1: D96.1 SW11.8 | length 23.4
  Top Layer w0.127: D96.1@76.2,75.374 76.2,75.311 76.835,74.676 94.234,74.676 SW11.8@97.79,71.12
NetD97_1: D97.1 SW12.1 | length 23.4
  Top Layer w0.127: D97.1@58.42,65.215 58.42,65.151 60.833,62.738 78.232,62.738 SW12.1@80.01,60.96
NetD98_1: D98.1 SW12.2 | length 23.4
  Top Layer w0.127: D98.1@60.96,65.215 60.96,65.151 63.119,62.992 80.518,62.992 SW12.2@82.55,60.96
NetD99_1: D99.1 SW12.3 | length 23.4
  Top Layer w0.127: D99.1@63.5,65.215 63.5,65.151 64.072,64.579 64.135,64.579 65.468,63.246 82.804,63.246 SW12.3@85.09,60.96
NetD100_1: D100.1 SW12.4 | length 23.4
  Top Layer w0.127: D100.1@66.04,65.215 66.04,65.151 67.691,63.5 85.09,63.5 SW12.4@87.63,60.96
NetD101_1: D101.1 SW12.5 | length 23.4
  Top Layer w0.127: D101.1@68.58,65.215 68.58,65.151 69.977,63.754 87.376,63.754 SW12.5@90.17,60.96
NetD102_1: D102.1 SW12.6 | length 23.4
  Top Layer w0.127: D102.1@71.12,65.215 71.12,65.151 72.263,64.008 89.662,64.008 SW12.6@92.71,60.96
NetD103_1: D103.1 SW12.7 | length 23.4
  Top Layer w0.127: D103.1@73.66,65.215 73.66,65.151 74.549,64.262 91.948,64.262 SW12.7@95.25,60.96
NetD104_1: D104.1 SW12.8 | length 23.4
  Top Layer w0.127: D104.1@76.2,65.215 76.2,65.151 76.835,64.516 94.234,64.516 SW12.8@97.79,60.96
NetD105_1: D105.1 SW13.1 | length 23.4
  Top Layer w0.127: D105.1@58.42,55.054 58.42,54.991 60.833,52.578 78.232,52.578 SW13.1@80.01,50.8
NetD106_1: D106.1 SW13.2 | length 23.4
  Top Layer w0.127: D106.1@60.96,55.054 60.96,54.991 63.119,52.832 80.518,52.832 SW13.2@82.55,50.8
NetD107_1: D107.1 SW13.3 | length 23.4
  Top Layer w0.127: D107.1@63.5,55.054 63.5,54.991 64.072,54.419 64.135,54.419 65.468,53.086 82.804,53.086 SW13.3@85.09,50.8
NetD108_1: D108.1 SW13.4 | length 23.4
  Top Layer w0.127: D108.1@66.04,55.054 66.04,54.991 67.691,53.34 85.09,53.34 SW13.4@87.63,50.8
NetD109_1: D109.1 SW13.5 | length 23.4
  Top Layer w0.127: D109.1@68.58,55.054 68.58,54.991 69.977,53.594 87.376,53.594 SW13.5@90.17,50.8
NetD110_1: D110.1 SW13.6 | length 23.4
  Top Layer w0.127: D110.1@71.12,55.054 71.12,54.991 72.263,53.848 89.662,53.848 SW13.6@92.71,50.8
NetD111_1: D111.1 SW13.7 | length 23.4
  Top Layer w0.127: D111.1@73.66,55.054 73.66,54.991 74.549,54.102 91.948,54.102 SW13.7@95.25,50.8
NetD112_1: D112.1 SW13.8 | length 23.4
  Top Layer w0.127: D112.1@76.2,55.054 76.2,54.991 76.835,54.356 94.234,54.356 SW13.8@97.79,50.8
NetD113_1: D113.1 SW14.1 | length 23.4
  Top Layer w0.127: D113.1@58.42,44.895 58.42,44.831 60.833,42.418 78.232,42.418 SW14.1@80.01,40.64
NetD114_1: D114.1 SW14.2 | length 23.4
  Top Layer w0.127: D114.1@60.96,44.895 60.96,44.831 63.119,42.672 80.518,42.672 SW14.2@82.55,40.64
NetD115_1: D115.1 SW14.3 | length 23.4
  Top Layer w0.127: D115.1@63.5,44.895 63.5,44.831 64.072,44.259 64.135,44.259 65.468,42.926 82.804,42.926 SW14.3@85.09,40.64
NetD116_1: D116.1 SW14.4 | length 23.4
  Top Layer w0.127: D116.1@66.04,44.895 66.04,44.831 67.691,43.18 85.09,43.18 SW14.4@87.63,40.64
NetD117_1: D117.1 SW14.5 | length 23.4
  Top Layer w0.127: D117.1@68.58,44.895 68.58,44.831 69.977,43.434 87.376,43.434 SW14.5@90.17,40.64
NetD118_1: D118.1 SW14.6 | length 23.4
  Top Layer w0.127: D118.1@71.12,44.895 71.12,44.831 72.263,43.688 89.662,43.688 SW14.6@92.71,40.64
NetD119_1: D119.1 SW14.7 | length 23.4
  Top Layer w0.127: D119.1@73.66,44.895 73.66,44.831 74.549,43.942 91.948,43.942 SW14.7@95.25,40.64
NetD120_1: D120.1 SW14.8 | length 23.4
  Top Layer w0.127: D120.1@76.2,44.895 76.2,44.831 76.835,44.196 94.234,44.196 SW14.8@97.79,40.64
NetD121_1: D121.1 SW15.1 | length 23.4
  Top Layer w0.127: D121.1@58.42,34.734 58.42,34.671 60.833,32.258 78.232,32.258 SW15.1@80.01,30.48
NetD122_1: D122.1 SW15.2 | length 23.4
  Top Layer w0.127: D122.1@60.96,34.734 60.96,34.671 63.119,32.512 80.518,32.512 SW15.2@82.55,30.48
NetD123_1: D123.1 SW15.3 | length 23.4
  Top Layer w0.127: D123.1@63.5,34.734 63.5,34.671 64.072,34.099 64.135,34.099 65.468,32.766 82.804,32.766 SW15.3@85.09,30.48
NetD124_1: D124.1 SW15.4 | length 23.4
  Top Layer w0.127: D124.1@66.04,34.734 66.04,34.671 67.691,33.02 85.09,33.02 SW15.4@87.63,30.48
NetD125_1: D125.1 SW15.5 | length 23.4
  Top Layer w0.127: D125.1@68.58,34.734 68.58,34.671 69.977,33.274 87.376,33.274 SW15.5@90.17,30.48
NetD126_1: D126.1 SW15.6 | length 23.4
  Top Layer w0.127: D126.1@71.12,34.734 71.12,34.671 72.263,33.528 89.662,33.528 SW15.6@92.71,30.48
NetD127_1: D127.1 SW15.7 | length 23.4
  Top Layer w0.127: D127.1@73.66,34.734 73.66,34.671 74.549,33.782 91.948,33.782 SW15.7@95.25,30.48
NetD128_1: D128.1 SW15.8 | length 23.4
  Top Layer w0.127: D128.1@76.2,34.734 76.2,34.671 76.835,34.036 94.234,34.036 SW15.8@97.79,30.48
NetLED0_1: LED0.1 R9.1 | length 2.3
  Top Layer w0.254: R9.1@71.562,189.389 LED0.1@73.91,189.389
NetLED1_1: LED1.1 R10.1 | length 2.1
  Top Layer w0.254: LED1.1@75.861,179.229 75.861,181.337 R10.1@75.88,181.356
NetLED2_1: LED2.1 R11.1 | length 2.1
  Top Layer w0.254: LED2.1@75.861,169.069 75.861,171.177 R11.1@75.88,171.196
NetLED3_1: LED3.1 R12.1 | length 2.1
  Top Layer w0.254: LED3.1@75.861,158.909 75.861,161.017 R12.1@75.88,161.036
NetLED4_1: LED4.1 R13.1 | length 2.1
  Top Layer w0.254: LED4.1@75.861,148.749 75.861,150.857 R13.1@75.88,150.876
NetLED5_1: LED5.1 R14.1 | length 2.1
  Top Layer w0.254: LED5.1@75.861,138.589 75.861,140.697 R14.1@75.88,140.716
NetLED6_1: LED6.1 R15.1 | length 2.1
  Top Layer w0.254: LED6.1@75.861,128.429 75.861,130.537 R15.1@75.88,130.556
NetLED7_1: LED7.1 R16.1 | length 2.1
  Top Layer w0.254: LED7.1@75.861,118.269 75.861,120.377 R16.1@75.88,120.396
NetLED8_1: LED8.1 R17.1 | length 2.1
  Top Layer w0.254: LED8.1@75.861,108.109 75.861,110.217 R17.1@75.88,110.236
NetLED9_1: LED9.1 R18.1 | length 2.1
  Top Layer w0.254: LED9.1@75.861,97.949 75.861,100.057 R18.1@75.88,100.076
NetLED10_1: LED10.1 R19.1 | length 2.1
  Top Layer w0.254: LED10.1@75.861,87.789 75.861,89.897 R19.1@75.88,89.916
NetLED11_1: LED11.1 R20.1 | length 2.1
  Top Layer w0.254: LED11.1@75.861,77.629 75.861,79.737 R20.1@75.88,79.756
NetLED12_1: LED12.1 R21.1 | length 2.1
  Top Layer w0.254: LED12.1@75.861,67.469 75.861,69.577 R21.1@75.88,69.596
NetLED13_1: LED13.1 R22.1 | length 2.1
  Top Layer w0.254: LED13.1@75.861,57.309 75.861,59.417 R22.1@75.88,59.436
NetLED14_1: LED14.1 R23.1 | length 2.1
  Top Layer w0.254: LED14.1@75.861,47.149 75.861,49.257 R23.1@75.88,49.276
NetLED15_1: LED15.1 R24.1 | length 2.1
  Top Layer w0.254: LED15.1@75.861,36.989 75.861,39.097 R24.1@75.88,39.116
NetLED16_1: LED16.1 R25.1 | length 1.9
  Top Layer w0.254: LED16.1@95.25,8.595 R25.1@95.25,10.48
NetLED17_1: LED17.1 R26.1 | length 1.9
  Top Layer w0.254: LED17.1@92.71,8.595 R26.1@92.71,10.48
NetLED18_1: LED18.1 R27.1 | length 1.9
  Top Layer w0.254: LED18.1@33.02,86.065 R27.1@33.02,87.95
NetLED19_1: LED19.1 R28.1 | length 1.9
  Top Layer w0.254: LED19.1@90.17,8.595 R28.1@90.17,10.48
NetLED20_1: LED20.1 R29.1 | length 1.9
  Top Layer w0.254: LED20.1@35.56,86.065 R29.1@35.56,87.95
NetLED21_1: LED21.1 R30.1 | length 1.9
  Top Layer w0.254: LED21.1@17.78,74.635 R30.1@17.78,76.52
NetLED22_1: LED22.1 R31.1 | length 1.9
  Top Layer w0.254: LED22.1@87.63,8.595 R31.1@87.63,10.48